# Altium PCB Calipso V2.0 REV4.2.PcbDoc (part 3 of 5)
Units mm, origin at the board's own origin, x right, y up, seen from the top; angles counter-clockwise.
Board outline 192.5 x 156.5 mm, 2 copper layers (Top Layer, Bottom Layer); 418 components, 329 nets, 1534 pads, 1623 vias.
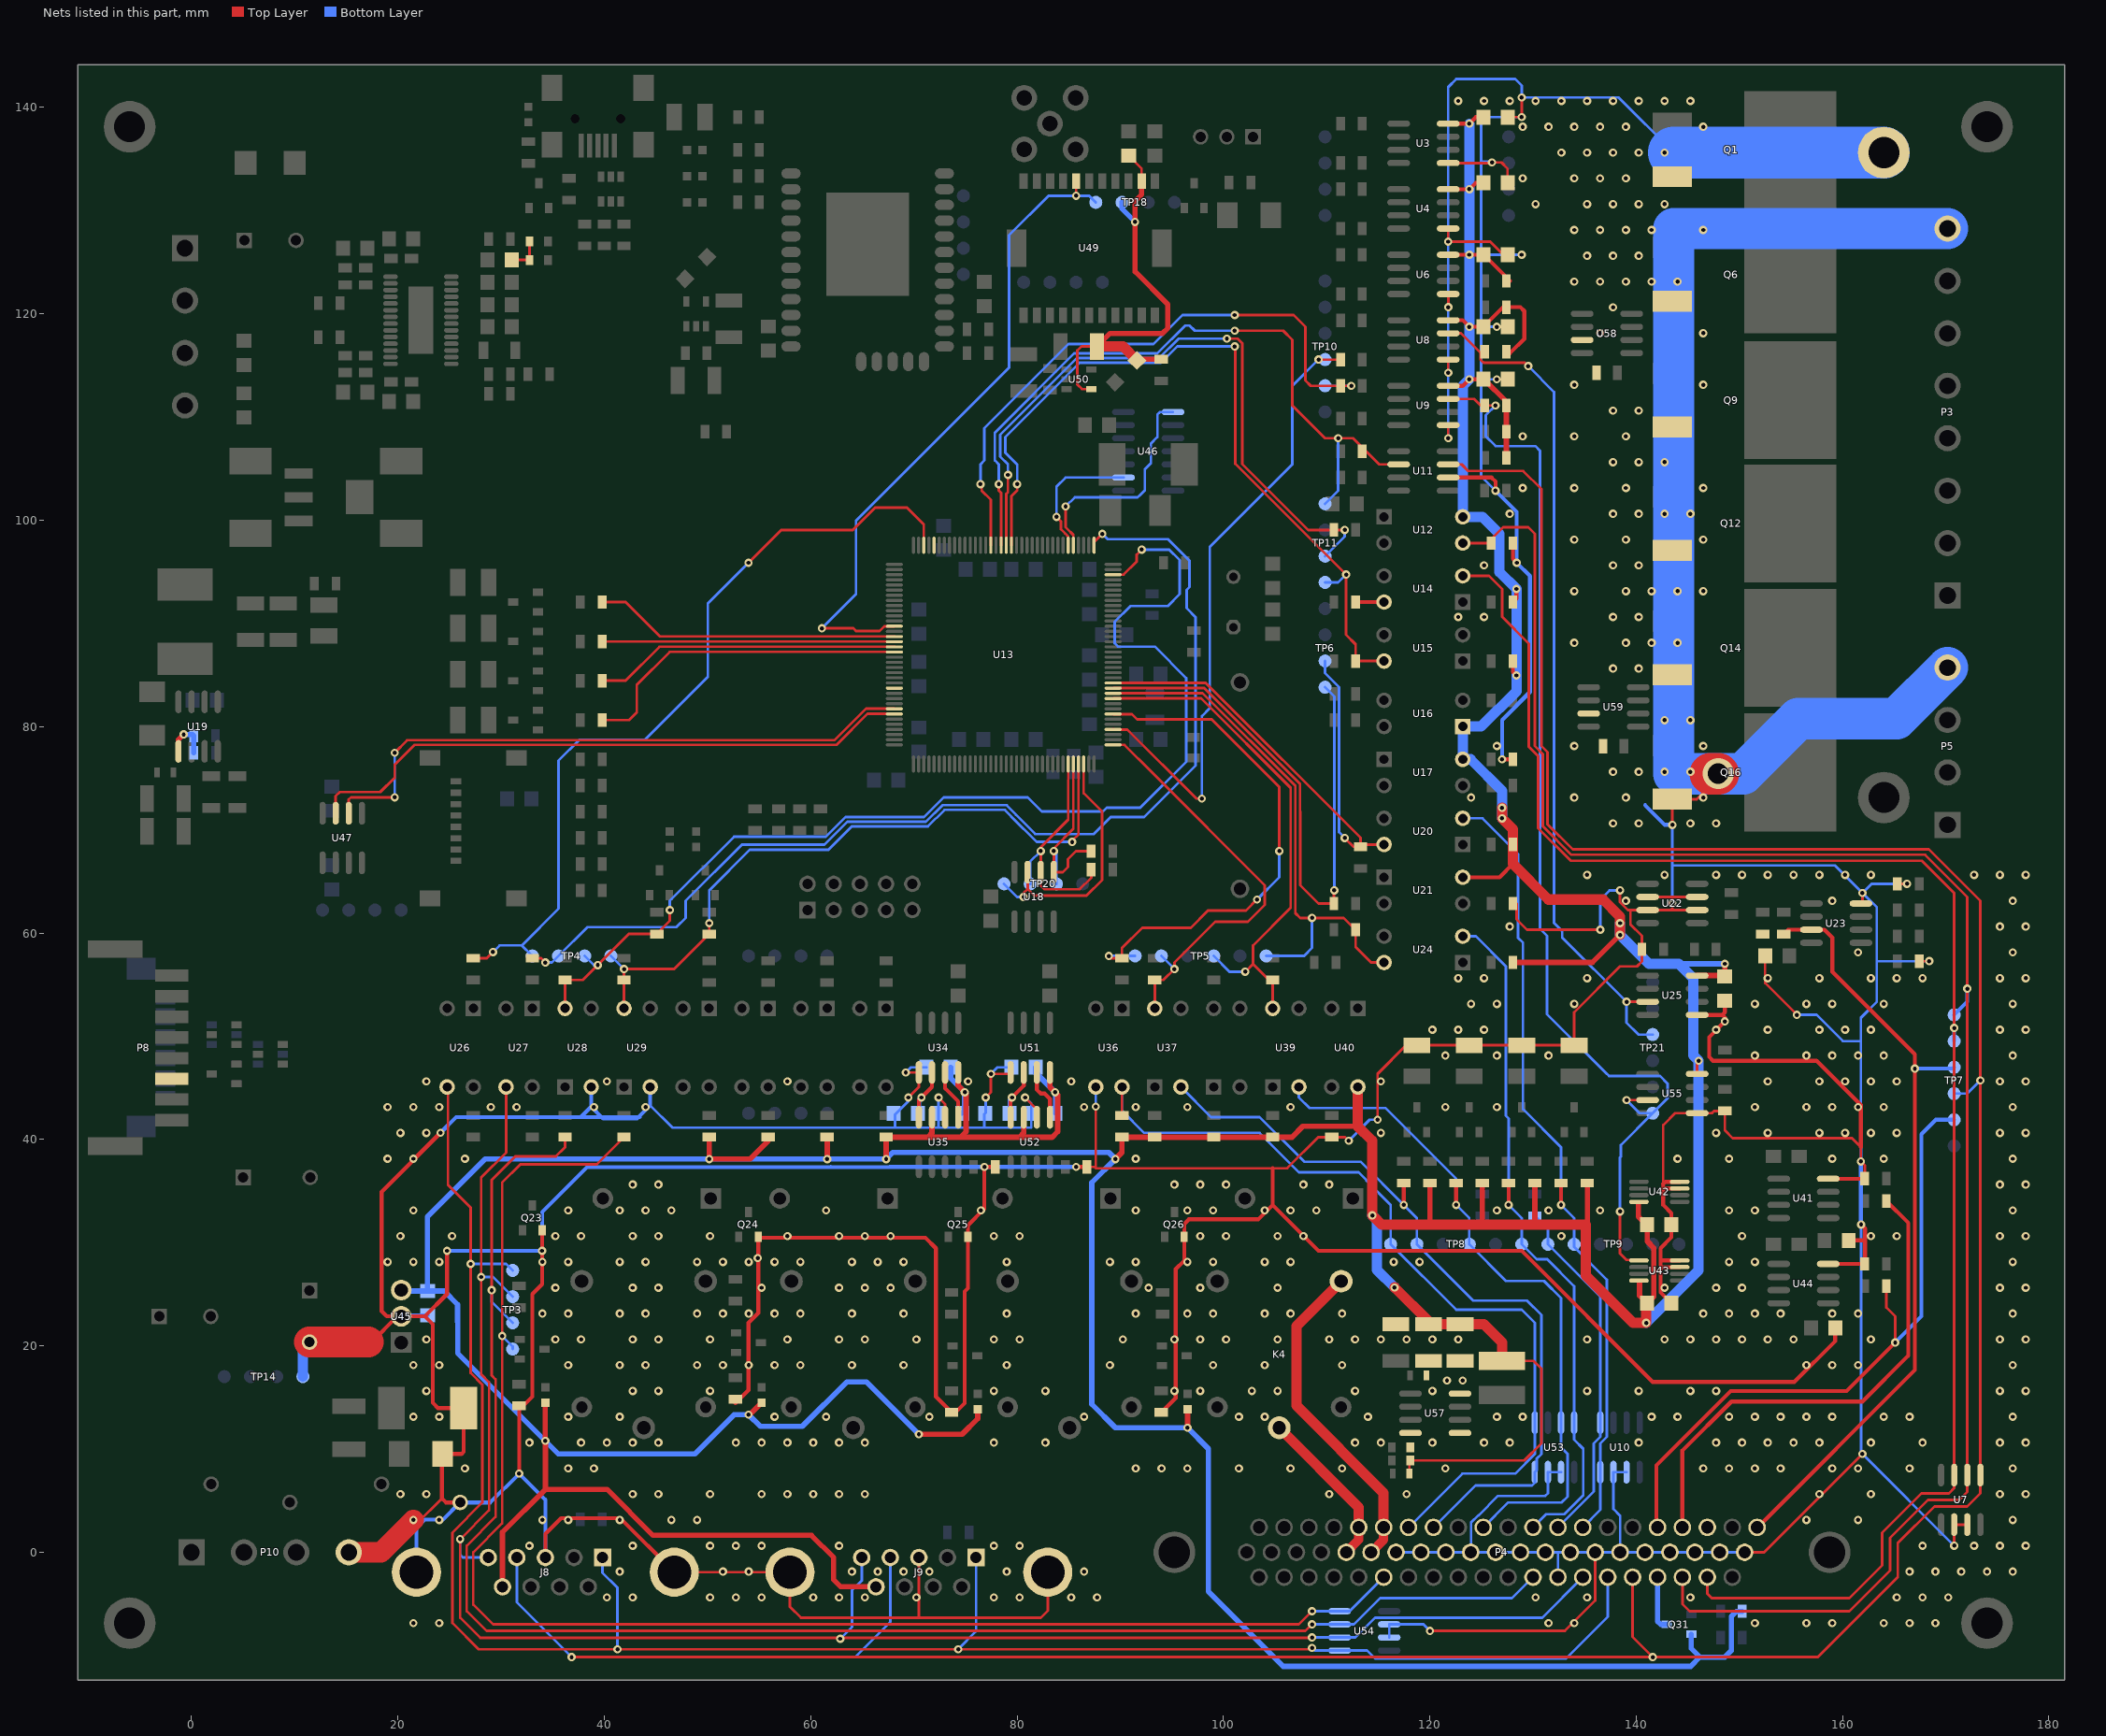
[diagram p3: the nets of this part, all layers, seen from the top]

## Via types
v1: diameter 0.8, hole 0.4, Top Layer to Bottom Layer, tented both sides, 1607 vias
v2: diameter 0.8, hole 0.4, Top Layer to Bottom Layer, 12 vias
v3: diameter 1.5, hole 1, Top Layer to Bottom Layer, 2 vias
v4: diameter 3, hole 2, Top Layer to Bottom Layer, 2 vias

## Nets (pads, with @x,y where several pads share a name; then routed paths per layer and width w, separated by ;. In a path a pad name is that pad's centre, name@x,y a point inside that pad or via, vN(x,y) a via of type N, cw(c..) or ccw(c..) an arc to the next point about the centre after c; other vN are vias at no path point) (continued)
DACI_CS: R24.1 TP21.3 U8.7 U25.3 | length 82.1
  Top Layer w0.254: U8.7@121.78,118.11 123.035,118.11 124.94,116.205 124.94,115.544 125.222,115.262 129.213,115.262 v1(129.54,114.935) ; v1(139.065,53.34) U25.3@141.11,53.34
  Bottom Layer w0.254: v1(129.54,114.935) 132.046,112.429 132.046,60.987 132.823,60.21 132.823,59.582 v1(139.065,53.34) 139.065,51.308 140.208,50.165 TP21.3@141.605,50.165
DACIN_P: C4.1 R159.2 R160.1 | length 3.5
  Top Layer w0.254: C4.1@31.02,125.222 R159.2@32.755,125.222 R160.1@32.755,127
DREL1: K4.1 P4.5 P4.26 | length 15.8
  Top Layer w0.9: P4.26@111.902,0 113.112,1.21 P4.5@113.112,2.41
  Top Layer w1: K4.1@105.41,12.065 113.112,4.363 P4.5@113.112,2.41
DREL2: K4.4 P4.6 P4.27 | length 32.1
  Top Layer w0.9: P4.27@114.315,0 115.525,1.21 P4.6@115.525,2.41
  Top Layer w1: K4.4@111.41,26.265 107.061,21.916 107.061,14.224 115.525,5.76 P4.6@115.525,2.41
DWIN_BUSY: P8.6
DWIN_RX: U13.102 U47.7 | length 59.9
  Top Layer w0.254: U47.7@13.97,71.615 13.97,73.279 14.351,73.66 18.288,73.66 19.685,75.057 19.685,76.327 21.59,78.232 62.491,78.232 65.504,81.245 U13.102@68.14,81.245
DWIN_TX: U13.101 U47.6 | length 60.4
  Top Layer w0.254: U47.6@15.24,71.615 15.24,72.952 15.44,73.152 19.177,73.152 v1(19.685,73.152) ; v1(19.685,77.47) 20.901,78.686 62.303,78.686 65.362,81.745 U13.101@68.14,81.745
  Bottom Layer w0.254: v1(19.685,73.152) v1(19.685,77.47)
EEPROM_NWC: TP20.1 U13.142 U18.7 | length 25.1
  Top Layer w0.254: v1(80.645,63.5) 80.645,63.881 81.026,64.262 ; U18.7@81.026,65.9 81.026,64.262 ; U13.142@86.459,76.383 86.459,73.552 88.234,71.777 88.234,65.139 86.722,63.627 81.661,63.627 81.026,64.262
  Bottom Layer w0.254: TP20.1@78.74,64.77 80.01,63.5 v1(80.645,63.5)
FAN_PWM1: U13.42 U46.9 | length 13
  Top Layer w0.254: v1(83.82,100.33) 84.255,99.895 84.255,99.126 84.646,98.735 84.657,98.735 84.959,98.433 U13.42@84.959,97.583
  Bottom Layer w0.254: v1(83.82,100.33) 83.82,103.251 84.709,104.14 U46.9@90.31,104.14
FAN_PWM2: U13.41 U46.1 | length 21.8
  Top Layer w0.254: v1(84.709,101.346) 84.709,99.314 84.834,99.189 84.845,99.189 85.459,98.575 U13.41@85.459,97.583
  Bottom Layer w0.254: v1(84.709,101.346) 85.598,102.235 91.694,102.235 91.875,102.416 91.882,102.416 92.383,102.917 92.383,104.942 92.975,105.533 92.975,107.431 93.599,108.056 93.599,110.236 93.853,110.49 U46.1@95.11,110.49
FEEDBACK: R55.1 R56.2 U19.5 | length 4.5
  Top Layer w0.5: U19.5@-1.27,77.61 -1.27,78.74 v1(-0.762,79.248)
  Bottom Layer w0.5: v1(-0.762,79.248) 0.093,79.248 R56.2@0.22,79.121 R55.1@0.22,77.47
FLOW1: R79.1 R89.1 TP4.3 U13.34 U28.4 | length 113.1
  Top Layer w0.254: U28.4@36.195,52.705 R89.1@36.195,55.465 37.94,55.465 42.385,59.91 R79.1@45.085,59.91 46.355,61.18 v1(46.355,62.23) ; U13.34@89.309,94.733 90.32,94.733 91.586,95.999 91.586,96.666 v1(92.075,97.155)
  Bottom Layer w0.254: TP4.3@38.101,57.785 38.99,56.896 v1(39.371,56.896) ; v1(46.355,62.23) 46.355,63.119 52.578,69.342 61.468,69.342 63.37,71.244 70.983,71.244 72.891,73.152 81.026,73.152 82.404,71.774 88.343,71.774 88.705,72.136 91.934,72.136 96.393,76.595 96.393,84.709 93.345,87.757 89.789,87.757 89.471,88.075 89.471,90.17 90.995,91.694 94.615,91.694 95.758,92.837 95.758,96.139 94.742,97.155 v1(92.075,97.155)
FLOW2: R80.1 R90.1 TP4.4 U13.141 U29.4 | length 67.3
  Top Layer w0.254: U29.4@41.911,52.705 R90.1@41.911,55.465 ; R90.1@42.165,55.465 R90.1@41.911,55.465 ; v1(50.165,60.96) R80.1@50.165,59.91 46.77,56.515 v1(41.911,56.515) R90.1@41.911,55.465 ; v1(85.344,68.834) 85.344,68.961 85.959,69.576 U13.141@85.959,76.383
  Bottom Layer w0.254: TP4.4@40.641,57.785 v1(41.911,56.515) ; v1(50.165,60.96) 50.165,64.135 54.102,68.072 61.722,68.072 63.986,70.336 71.359,70.336 72.959,71.936 78.813,71.936 79.464,71.285 79.464,71.266 81.896,68.834 v1(85.344,68.834)
FLOW_SEN1: P4.54 R108.1 TP3.3 U54.3 | length 162.8
  Top Layer w0.254: R108.1@36.195,40.225 36.195,39.243 35.306,38.354 31.369,38.354 29.083,36.068 v1(29.083,25.4) 29.083,17.136 29.464,16.755 29.464,3.429 26.67,0.635 26.67,-5.701 28.589,-7.62 107.95,-7.62 v1(108.585,-6.985)
  Bottom Layer w0.254: v1(29.083,25.4) 29.083,24.257 TP3.3@31.115,22.225 ; v1(108.585,-6.985) U54.3@111.265,-6.985 112.649,-6.985 115.189,-4.445 127.971,-4.445 P4.54@130.003,-2.413
FLOW_SEN2: P4.48 R109.1 TP3.4 U54.4 | length 148.3
  Top Layer w0.254: R109.1@41.911,40.225 39.278,37.592 31.877,37.592 30.099,35.814 v1(30.099,20.955) 30.099,2.794 27.305,0 27.305,-5.08 29.21,-6.985 107.315,-6.985 v1(108.585,-5.715)
  Bottom Layer w0.254: v1(30.099,20.955) 31.115,19.939 TP3.4@31.115,19.685 ; v1(108.585,-5.715) U54.4@111.265,-5.715 112.223,-5.715 P4.48@115.525,-2.413
FOOTSW: J8.4 J9.4 P4.58 TP7.4 U7.1 U11.3 | length 352.2
  Top Layer w0.254: v1(36.83,-10.16) v1(141.605,-10.16) ; U11.3@121.78,105.41 123.09,105.41 123.725,104.775 129.06,104.775 130.81,103.025 130.81,78.126 131.41,77.526 131.41,70.541 133.843,68.108 168.366,68.108 173.355,63.119 v1(173.355,45.72) U7.1@173.355,7.48 173.355,5.715 172.085,4.445 168.91,4.445 165.354,0.889 165.354,-2.413 157.607,-10.16 v1(141.605,-10.16) ; P4.58@139.655,-2.413 139.655,-8.21 v1(141.605,-10.16)
  Bottom Layer w0.254: J8.4@31.52,-0.51 31.52,-4.85 v1(36.83,-10.16) 64.31,-10.16 67.715,-6.755 J9.4@67.715,-0.51 ; TP7.4@170.815,44.45 172.085,44.45 v1(173.355,45.72)
FOOTSW1: R32.2 TP11.1 U11.6 U13.55 | length 70.8
  Top Layer w0.254: v1(78.232,103.505) 78.232,102.874 78.459,102.647 U13.55@78.459,97.583 ; v1(101.092,118.364) 105.791,118.364 106.68,117.475 106.68,111.125 109.855,107.95 v1(111.125,107.95) 112.55,107.95 115.09,105.41 U11.6@116.98,105.41
  Bottom Layer w0.254: v1(78.232,103.505) 78.232,105.41 77.851,105.791 77.851,108.498 85.52,116.167 93.582,116.167 96.287,118.872 96.72,118.872 97.228,118.364 v1(101.092,118.364) ; TP11.1@109.855,101.6 111.125,102.87 v1(111.125,107.95)
FOOTSW2: U13.68
GOUT1: R95.1 U13.87 | length 29.4
  Top Layer w0.254: R95.1@40.16,92.075 42.065,92.075 45.395,88.745 U13.87@68.14,88.745
GOUT2: R96.1 U13.88 | length 28
  Top Layer w0.254: R96.1@40.16,88.265 40.18,88.245 U13.88@68.14,88.245
GOUT3: R114.1 U13.89 | length 29.3
  Top Layer w0.254: R114.1@40.16,84.455 42.065,84.455 45.355,87.745 U13.89@68.14,87.745
GOUT4: R115.1 U13.90 | length 32.3
  Top Layer w0.254: R115.1@40.16,80.645 42.418,80.645 43.142,81.369 43.142,84.032 46.355,87.245 U13.90@68.14,87.245
GPS3V3: C67.2 C68.2 GPS1.1 L10.1 TP18.2 U49.13 U50.4 | length 42.6
  Top Layer w0.254: U50.4@87.179,112.715 86.294,112.715 85.852,113.157 85.852,116.459 86.233,116.84 C67.2@87.754,116.84 ; C68.2@90.805,135.35 92.075,134.08 U49.13@92.075,132.865
  Top Layer w0.5: C67.2@87.754,116.84 89.024,118.11 94.107,118.11 94.615,118.618 94.615,120.904 91.44,124.079 v1(91.44,128.905) 91.44,130.937 92.075,131.572 U49.13@92.075,132.865 ; L10.1@91.612,115.488 91.728,115.604 GPS1.1@93.98,115.604
  Top Layer w1: C67.2@87.754,116.84 90.259,116.84 L10.1@91.612,115.488
  Bottom Layer w0.5: TP18.2@90.17,130.81 90.17,130.175 v1(91.44,128.905)
GPS_RST: TP18.1 U13.85 U49.18 | length 64.6
  Top Layer w0.254: v1(61.087,89.535) 64.135,89.535 64.389,89.281 66.687,89.281 67.139,89.733 U13.85@68.109,89.733 ; v1(85.725,131.445) U49.18@85.725,132.865
  Bottom Layer w0.254: v1(61.087,89.535) 61.087,89.549 64.389,92.851 64.389,99.949 79.232,114.792 79.232,127.619 83.058,131.445 v1(85.725,131.445) 86.995,131.445 TP18.1@87.63,130.81
I2C1_SCL: R139.2 TP20.2 U13.139 U18.6 | length 22.8
  Top Layer w0.254: U13.139@84.959,76.383 84.959,70.989 82.296,68.326 v1(82.296,67.945) U18.6@82.296,65.9 82.296,64.6 82.646,64.25 86.075,64.25 87.184,65.359 R139.2@87.184,66.155
  Bottom Layer w0.254: TP20.2@81.28,64.77 81.28,66.929 v1(82.296,67.945)
I2C1_SDA: R140.2 TP20.3 U13.140 U18.5 | length 19.5
  Top Layer w0.254: U13.140@85.459,76.383 85.459,70.104 83.566,68.211 v1(83.566,67.945) U18.5@83.566,65.9 84.423,65.9 84.932,66.409 84.932,67.171 85.694,67.933 R140.2@87.184,67.933
  Bottom Layer w0.254: v1(83.566,67.945) 83.82,67.691 TP20.3@83.82,64.77
I5V: C1.1 C7.1 C8.1 C11.1 C14.1 C29.2 C31.2 C33.1 C35.1 C37.1 C62.2 C73.2 C75.2 C85.2 C86.2 C87.2 J8.9 J9.9 L2.1 LED7.2 LED8.2 LED9.2 LED10.2 Q31.2 R20.2 R22.2 R24.2 R29.2 R31.2 R33.1 R44.2 R48.2 R73.2 R103.2 R110.2 R111.2 R112.2 R113.2 R116.2 R117.2 R118.2 R119.2 R123.2 R125.2 R127.2 R129.2 R156.2 R166.1 U3.8 U4.8 U6.8 U8.8 U9.8 U12.4 U16.1 U17.4 U21.4 U25.8 U34.8 U35.3 U40.4 U42.8 U43.8 U45.3 U51.8 U52.3 U55.8 | length 740.5
  Top Layer w0.254: C87.2@118.021,7.62 118.021,8.79 R166.1@118.121,8.89 129.159,8.89 130.81,10.541 130.81,17.78 130.049,18.541 L2.1@127,18.541 ; U55.8@145.91,46.355 145.91,47.485 v1(146.05,47.625)
  Top Layer w0.384: U9.8@121.78,113.03 123.19,113.03 v1(123.825,113.665) C14.1@125.19,113.665 C14.1@125.25,113.665 ; U8.8@121.78,119.38 123.19,119.38 v1(123.825,118.745) C11.1@125.19,118.745 127.095,120.65 128.778,120.65 129.159,120.269 129.159,117.574 R24.2@127.79,116.205 ; U6.8@121.78,125.73 v1(123.825,125.73) 125.25,125.73 R20.2@127.79,123.19 ; U4.8@121.78,132.08 v1(123.825,132.08) 124.46,132.715 C7.1@125.19,132.715 ; U3.8@121.78,138.43 v1(123.825,138.43) 124.46,139.065 C1.1@125.19,139.065 ; U21.4@123.19,65.405 126.758,65.405 128.05,66.697 ; R48.2@128.05,86.36 128.05,85.31 v1(128.397,84.963) ; R44.2@128.05,92.075 128.397,92.422 v1(128.397,93.345)
  Top Layer w0.5: 34.29,6.096 40.259,6.096 44.715,1.64 60.082,1.64 62.23,-0.508 62.23,-2.667 62.913,-3.35 J9.9@66.33,-3.35 ; v1(34.29,10.795) LED7.2@34.29,14.49 ; U51.8@83.185,46.495 83.185,45.085 v1(83.693,44.577) ; 135.128,31.75 135.255,31.877 R129.2@135.255,35.78
  Top Layer w0.524: J8.9@30.135,-3.35 30.135,1.941 34.29,6.096 v1(34.29,10.795) ; R110.2@50.166,39.849 v1(50.166,38.1) 54.13,38.1 55.88,39.85 R111.2@55.88,40.225 ; v1(53.975,13.335) 54.09,13.335 LED8.2@55.245,14.49 ; v1(61.596,38.1) R112.2@61.595,39.85 ; R113.2@67.31,40.225 71.341,40.225 ; v1(67.311,38.1) R113.2@67.311,39.849 ; v1(70.485,11.43) 74.676,11.43 76.2,12.954 LED9.2@76.2,13.855 ; U35.3@71.756,42.151 71.756,40.64 71.341,40.225 ; U34.8@74.296,46.495 74.296,45.211 v1(74.93,44.577) 75.058,44.449 75.058,40.768 74.515,40.225 ; U52.3@80.645,42.151 80.645,40.64 80.23,40.225 ; v1(83.693,44.577) 83.947,44.323 83.947,40.767 83.405,40.225 80.23,40.225 ; v1(89.535,38.1) 90.17,38.735 R116.2@90.17,39.85 ; R116.2@90.17,40.225 R117.2@93.345,40.225 R118.2@99.06,40.225 R119.2@104.775,40.225 106.646,40.225 107.696,41.275 113.03,41.275 ; v1(96.52,12.065) LED10.2@96.52,13.855 ; 120.015,31.75 R123.2@120.015,35.405 ; 125.095,31.75 R125.2@125.095,35.405 ; C14.1@125.25,113.665 127.415,111.5 R29.2@127.415,111.125 R31.2@127.415,108.585 R33.1@127.415,106.045 ; R103.2@128.425,57.15 135.763,57.15 v1(138.43,59.817) ; 130.175,31.75 R127.2@130.175,35.405 ; U42.8@140.208,33.782 140.208,32.512 140.97,31.75 C35.1@141.065,31.75 141.065,30.131 141.713,29.483 141.713,24.778 C37.1@141.065,24.13 140.335,24.86 U43.8@140.335,26.162 ; U25.8@145.91,55.88 C33.1@148.495,55.88 ; C33.1@148.59,55.785 v1(148.59,57.023) ; 71.341,40.225 74.515,40.225 ; 74.515,40.225 80.23,40.225
  Top Layer w1: U40.4@113.03,45.085 113.03,41.275 114.427,39.878 v1(114.427,32.639) 115.316,31.75 120.015,31.75 125.095,31.75 130.175,31.75 135.128,31.75 135.128,26.797 139.7,22.225 v1(140.97,22.225) 140.97,24.035 C37.1@141.065,24.13 ; v1(116.586,25.654) 119.888,22.352 C86.2@119.888,22.095 C85.2@122.936,22.095 125.225,22.095 127,20.32 L2.1@127,18.541 ; v1(127,72.136) v1(127,71.12) 128.05,70.07 R73.2@128.05,68.58 128.05,66.697 131.501,63.246 136.779,63.246 138.43,61.595 v1(138.43,60.96) v1(138.43,59.817)
  Bottom Layer w0.5: 25.781,22.352 25.781,19.304 v1(34.29,10.795) 35.56,9.525 48.768,9.525 52.578,13.335 v1(53.975,13.335) ; Q31.2@145.345,-7.935 145.345,-9.328 146.177,-10.16 148.59,-10.16 149.225,-9.525 149.225,-6.223 149.733,-5.715 R156.2@150.275,-5.715
  Bottom Layer w0.524: U45.3@20.32,25.4 20.415,25.305 C62.2@22.86,25.305 ; 25.781,22.352 25.781,24.003 24.479,25.305 C62.2@22.86,25.305 ; v1(53.975,13.335) 55.118,12.192 59.182,12.192 63.5,16.51 65.405,16.51 v1(70.485,11.43) ; C29.2@73.565,46.99 73.565,45.942 v1(74.93,44.577) 74.93,42.767 C31.2@74.708,42.545 ; C73.2@81.82,46.99 81.82,46.45 v1(83.693,44.577) 83.725,44.545 C75.2@83.725,42.545 ; 144.145,57.023 v1(148.59,57.023) ; 146.177,-10.16 145.288,-11.049 105.791,-11.049 98.552,-3.81 98.552,10.033 v1(96.52,12.065) 89.535,12.065 87.249,14.351 87.249,35.814 v1(89.535,38.1) 88.9,38.735 67.946,38.735 v1(67.311,38.1) v1(61.596,38.1) 28.448,38.1 22.86,32.512 C62.2@22.86,25.305
  Bottom Layer w1: v1(114.427,32.639) 114.87,32.196 114.87,27.37 v1(116.586,25.654) ; v1(123.825,138.43) v1(123.825,132.08) v1(123.825,125.73) v1(123.825,118.745) v1(123.825,113.665) 123.19,113.03 U12.4@123.19,100.33 125.095,100.33 126.746,98.679 126.746,94.996 v1(128.397,93.345) v1(128.397,84.963) 128.397,83.439 124.968,80.01 U16.1@123.19,80.01 U17.4@123.19,76.835 123.952,76.835 127,73.787 v1(127,72.136) v1(127,71.12) ; v1(138.43,60.96) v1(138.43,59.817) 141.224,57.023 144.145,57.023 145.542,55.626 145.542,48.133 v1(146.05,47.625) 146.05,27.305 v1(140.97,22.225)
ICAN1_RX: C30.2 U34.6 U35.4 | length 6.6
  Top Layer w0.384: U35.4@70.486,42.151 70.486,43.815 v1(70.74,44.069) 71.756,45.085 U34.6@71.756,46.495
  Bottom Layer w0.384: C30.2@70.518,42.418 70.518,43.847 v1(70.74,44.069)
ICAN1_TX: U34.7 U35.1 | length 4.9
  Top Layer w0.384: U34.7@73.026,46.495 73.026,44.958 74.296,43.688 U35.1@74.296,42.151
ICAN2_RX: C74.2 U51.6 U52.4 | length 6.5
  Top Layer w0.381: U52.4@79.375,42.151 79.375,43.942 v1(79.502,44.069) 80.645,45.212 U51.6@80.645,46.495
  Bottom Layer w0.381: C74.2@79.28,42.545 79.28,43.847 v1(79.502,44.069)
ICAN2_TX: U51.7 U52.1 | length 5.1
  Top Layer w0.381: U51.7@81.915,46.495 81.915,44.831 82.296,44.45 82.677,44.45 83.185,43.942 U52.1@83.185,42.151
IGND: C1.2 C7.2 C8.2 C11.2 C14.2 C29.1 C30.1 C31.1 C32.1 C33.2 C35.2 C36.2 C37.2 C38.2 C40.2 C41.2 C42.1 C43.1 C62.1 C73.1 C74.1 C75.1 C85.1 C86.1 C88.1 C89.1 D20.2 J8.3 J8.10 J8.11 J9.3 J9.10 J9.11 LED3.1 LED4.1 LED5.1 LED6.1 P3.8 P4.28 P4.29 P4.30 P4.31 P4.32 P4.33 P4.34 P4.35 P4.36 P4.37 P4.38 P4.39 P4.40 P4.41 P4.42 P4.55 P5.4 P10.4 pad.H@164,135.63 Q1.3 Q6.3 Q9.3 Q12.3 Q14.3 Q16.3 Q23.2 Q24.2 Q25.2 Q26.2 R12.2 R39.1 R50.2 R59.2 R76.1 R81.1 R85.1 R101.2 R104.2 R120.1 R121.2 R135.1 R136.1 R137.1 R138.1 R148.2 R158.1 R167.2 RU2.1 TP14.1 U3.5 U4.5 U6.5 U7.6 U7.7 U8.5 U9.5 U10.6 U10.7 U11.2 U22.2 U22.3 U22.6 U22.7 U23.4 U25.5 U28.2 U29.2 U34.5 U35.2 U36.3 U41.4 U42.3 U42.4 U43.3 U43.4 U44.4 U45.2 U51.5 U52.2 U53.6 U53.7 U54.6 U54.7 U55.5 U57.4 U57.5 U57.8 U58.3 U59.3 | length 1288.9
  Top Layer w0.254: 21.84,2.79 24.257,5.207 ; J8.10@46.785,-1.93 J9.11@57.99,-1.93 57.99,-5.285 59.055,-6.35 70.485,-6.35 ; v1(69.215,46.482) 69.228,46.495 U34.5@70.486,46.495 70.486,45.085 v1(69.47,44.069) ; J9.3@70.485,-0.51 70.485,-6.35 ; v1(72.391,44.069) 73.026,43.434 U35.2@73.026,42.151 ; v1(76.962,44.069) 77.47,44.577 v1(77.47,46.355) 79.235,46.355 U51.5@79.375,46.495 ; v1(80.772,44.069) 81.915,42.926 U52.2@81.915,42.151 ; J9.10@82.98,-1.93 82.98,-5.666 82.296,-6.35 70.485,-6.35 ; R12.2@86.775,37.338 87.503,37.338 87.63,37.211 ; v1(87.63,43.18) 87.63,37.211 ; v1(112.141,39.878) 111.794,40.225 R120.1@110.49,40.225 109.186,40.225 106.172,37.211 104.775,37.211 87.63,37.211 ; v1(114.935,41.91) 114.935,46.355 117.705,49.125 LED3.1@118.745,49.125 LED4.1@123.825,49.125 LED5.1@128.905,49.125 LED6.1@133.985,49.125 133.985,52.324 138.43,56.769 140.081,56.769 140.555,57.243 R85.1@140.555,58.42 140.555,59.724 139.446,60.833 139.446,62.23 ; v1(120.015,-7.62) 133.096,-7.62 136.032,-4.684 P4.36@136.032,0 ; U9.5@121.78,109.22 121.78,107.963 v1(121.793,107.95) ; U8.5@121.78,115.57 121.78,114.313 v1(121.793,114.3) ; U6.5@121.78,121.92 121.793,121.907 v1(121.793,120.65) ; U4.5@121.78,128.27 v1(121.78,127) 125.857,127 C8.2@127.127,125.73 ; U3.5@121.78,134.62 126.034,134.62 126.024,134.631 v1(126.024,134.675) 126.945,134.675 127.54,134.08 C7.2@127.54,132.715 ; 123.695,29.207 123.698,29.21 ; C1.2@127.54,139.065 v1@128.524,139.065 ; R81.1@128.425,62.865 128.425,61.313 129.413,60.325 v1(136.525,60.325) ; v1(128.905,139.065) v1(128.905,140.97) ; v1(138.43,64.135) 138.43,62.992 139.192,62.23 139.446,62.23 ; U22.6@141.11,63.5 143.51,63.5 ; 142.621,35.433 142.621,35.687 142.621,41.402 143.764,42.545 U55.5@145.91,42.545 147.32,42.545 147.54,42.765 R158.1@148.59,42.765 148.59,40.894 149.352,40.132 160.909,40.132 161.77,39.271 v1(161.77,37.874) 162.145,37.499 R104.2@162.145,36.195 ; v1(143.51,70.485) Q16.3@143.51,72.97 145.868,72.97 v4@147.193,74.295 ; U22.2@145.91,62.23 143.51,62.23 ; U22.3@145.91,63.5 143.51,63.5 ; P4.42@150.51,0 152.4,0 v1(161.925,9.525) ; C32.1@152.495,57.785 152.495,55.15 v1(155.575,52.07) ; U23.4@161.785,62.865 161.925,63.005 v1(161.925,63.881) ; R76.1@165.32,64.77 v1(166.243,64.77) ; R101.2@167.42,57.277 v1(168.402,57.277) ; v1(170.815,0.635) U7.6@170.815,2.68 U7.7@172.085,2.68 ; 139.446,62.23 U22.7@141.11,62.23 143.51,62.23 ; 143.51,62.23 v1(143.51,62.865) 143.51,63.5
  Top Layer w0.384: 17.145,20.36 17.439,20.36 U45.2@19.939,22.86 ; v1(24.13,40.64) 18.415,34.925 18.415,23.368 18.923,22.86 U45.2@19.939,22.86 ; v1(24.765,29.21) 24.765,25.019 22.606,22.86 ; RU2.1@26.035,4.826 24.638,4.826 24.257,5.207 24.257,9.457 D20.2@24.325,9.525 26.162,9.525 26.36,9.723 C41.2@26.36,13.97 23.876,13.97 23.368,14.478 23.368,22.098 22.606,22.86 ; v1(31.75,7.62) 31.75,13.815 33.02,15.085 33.02,25.019 33.97,25.969 v1(33.97,29.21) Q23.2@33.97,31.185 ; J8.3@34.29,-0.51 34.29,1.778 35.814,3.302 41.553,3.302 J8.10@46.785,-1.93 ; R135.1@52.705,14.45 53.975,15.72 53.975,22.225 54.925,23.175 v1@54.925,28.575 ; v1(54.864,28.514) v1@54.925,28.575 ; R137.1@73.66,13.555 72.136,15.079 72.136,29.464 71.12,30.48 54.995,30.48 Q24.2@54.925,30.55 v1@54.925,28.575 ; R137.1@73.848,13.367 74.93,14.45 74.93,25.273 75.245,25.588 Q25.2@75.245,30.55 75.245,31.684 76.835,33.274 v1(76.835,37.338) R50.2@77.885,37.338 ; v1(85.725,37.338) R12.2@86.775,37.338 ; R138.1@93.98,13.555 95.377,14.952 95.377,27.432 96.2,28.255 Q26.2@96.2,30.55 96.2,31.811 96.647,32.258 103.378,32.258 104.775,33.655 ; 104.775,37.211 104.775,33.655 ; U11.2@121.78,104.14 125.984,104.14 126.365,103.759 v1(126.365,102.87) ; v1(127,76.835) R59.2@128.05,76.835 ; R39.1@128.05,97.79 128.05,96.26 v1(128.425,95.885) ; 142.621,35.433 142.621,35.179 ; 142.621,35.687 142.834,35.9 U42.4@144.215,35.9 ; C37.2@143.415,24.13 142.367,25.178 142.367,27.686 ; U43.3@144.215,27.63 142.423,27.63 142.367,27.686 ; U43.4@144.215,28.28 142.453,28.28 142.367,28.194 ; U42.3@144.215,35.25 142.692,35.25 142.621,35.179 ; U25.5@145.91,52.07 148.336,52.07 ; C33.2@148.59,53.435 148.59,52.324 148.336,52.07 ; U44.4@158.61,27.94 R121.2@162.145,27.94 ; U41.4@158.61,36.195 R104.2@162.145,36.195 ; C38.2@159.29,22.225 159.29,20.479 155.321,16.51 141.605,16.51 128.905,29.21 123.698,29.21 109.22,29.21 104.775,33.655 ; C36.2@160.592,30.226 162.179,30.226 ; 161.77,39.271 161.77,43.335 157.48,47.625 147.447,47.625 147.066,48.006 147.066,49.911 v1(148.59,51.435) 148.59,51.816 148.336,52.07 ; v1(161.798,31.75) 162.179,31.369 162.179,30.226 ; R121.2@162.179,27.94 162.179,30.226 ; U45.2@19.939,22.86 U45.2@20.32,22.86 22.606,22.86 ; 142.367,27.686 142.367,28.194 ; 142.367,28.194 142.367,29.464 143.415,30.512 143.415,32.861 142.621,33.655 142.621,35.179
  Top Layer w2: P10.4@15.24,0 18.37,0 v1(21.5,3.13)
  Top Layer w3: C40.2@11.43,20.36 17.145,20.36
  Top Layer w4: v4@147.193,75.438 v4(147.955,75.438)
  Bottom Layer w0.254: 44.451,43.307 46.61,41.148 68.2,41.148 ; v1(69.215,46.482) 69.723,46.99 C29.1@71.215,46.99 ; v1(69.47,44.069) 69.47,43.72 68.168,42.418 68.168,41.18 68.2,41.148 ; v1(72.391,44.069) 72.391,41.148 ; v1(76.962,44.069) 76.962,42.577 76.835,42.45 76.835,41.148 ; v1(77.47,46.355) 78.105,46.99 C73.1@79.47,46.99 ; v1(80.772,44.069) 81.375,43.466 C75.1@81.375,42.545 81.375,41.148 76.835,41.148 ; v1(87.63,43.18) U36.3@87.63,45.085 ; v1(112.141,39.878) 114.173,41.91 v1(114.935,41.91) ; U54.7@116.065,-8.255 U54.6@116.065,-6.985 119.38,-6.985 v1(120.015,-7.62) ; P4.28@116.728,0 P4.29@119.141,0 P4.30@121.554,0 P4.31@123.967,0 ; v1(121.793,107.95) 121.78,107.963 v1(121.78,127) 121.78,141.973 122.555,142.748 128.27,142.748 128.905,142.113 v1(128.905,140.97) 138.303,140.97 143.637,135.636 ; v1(126.024,134.675) 126.024,134.741 126.017,134.747 124.968,134.747 ; v1(126.365,102.87) 124.968,104.267 124.968,113.665 ; v1(126.492,113.665) 124.968,113.665 ; v1(126.492,118.745) 124.968,118.745 ; v1(128.905,125.73) 124.968,125.73 ; v1(128.905,139.065) 125.603,139.065 124.968,138.43 124.968,134.747 ; P4.55@132.416,-2.413 132.416,-0.045 132.461,0 ; U53.6@132.715,7.76 U53.7@131.445,7.76 131.445,5.715 131.191,5.461 126.619,5.461 124.745,3.587 124.689,3.587 124,2.898 124,0.033 P4.31@123.967,0 ; v1(136.525,60.325) 136.525,63.246 137.414,64.135 v1(138.43,64.135) ; U10.6@139.065,7.76 U10.7@137.795,7.76 137.795,4.191 138.445,3.541 P4.37@138.445,0 ; v1(143.51,62.865) 143.51,66.548 ; v1(143.51,70.485) 143.51,66.548 ; P4.42@150.51,0 P4.41@148.097,0 P4.40@145.684,0 P4.39@143.271,0 P4.38@140.858,0 P4.37@138.445,0 ; v1(155.575,52.07) 157.48,52.07 160.02,49.53 161.77,49.53 ; v1(166.243,64.77) 162.814,64.77 v1(161.925,63.881) ; v1(168.402,57.277) 163.322,57.277 ; v1(170.815,0.635) v1(161.925,9.525) 161.798,9.652 v1(161.798,31.75) 161.798,40.005 161.77,40.033 161.77,49.53 ; 68.2,41.148 72.391,41.148 ; 72.391,41.148 76.835,41.148 ; P4.31@123.967,0 P4.32@126.38,0 P4.33@128.793,0 P4.34@131.206,0 132.461,0 ; 124.968,113.665 124.968,118.745 ; 124.968,118.745 124.968,125.73 ; 124.968,125.73 124.968,134.747 ; 132.461,0 P4.35@133.619,0 P4.36@136.032,0 P4.37@138.445,0 ; 143.51,66.548 159.258,66.548 v1(161.925,63.881) ; 161.77,49.53 161.77,51.788 163.322,53.34 163.322,57.277 ; v1(161.925,63.881) 163.322,62.484 163.322,57.277
  Bottom Layer w0.384: U45.2@20.32,22.86 20.415,22.955 C62.1@22.86,22.955 ; J8.11@21.795,-1.93 21.795,2.364 22.606,3.175 24.384,3.175 RU2.1@26.035,4.826 28.956,4.826 v1(31.75,7.62) 34.29,5.08 J8.3@34.29,-0.51 ; v1(24.13,40.64) 25.654,42.164 43.432,42.164 ; v1(24.765,29.21) v1(33.97,29.21) 33.97,32.954 38.324,37.308 67.638,37.308 ; 37.718,42.164 v1@38.735,43.181 ; U28.2@38.735,45.085 v1@38.735,43.181 ; U29.2@44.451,45.085 44.451,43.307 43.181,42.037 39.879,42.037 v1@38.735,43.181 ; 61.924,37.308 61.954,37.338 ; 67.668,37.338 v1(76.835,37.338) v1(85.725,37.338) ; v1(126.365,102.87) 128.425,100.81 v1(128.425,95.885) 129.711,94.599 129.711,83.356 127,80.645 v1(127,76.835) ; 140.875,72.39 142.78,70.485 v1(143.51,70.485) ; 143.51,109.22 143.637,109.093 ; v1(161.77,37.874) 161.77,31.778 v1(161.798,31.75)
  Bottom Layer w1: TP14.1@10.795,17.018 10.795,19.725 C40.2@11.43,20.36
  Bottom Layer w4: P5.4@170.18,85.725 165.227,80.772 155.702,80.772 150.368,75.438 v4(147.955,75.438) 143.637,75.438 143.637,109.093 143.637,128.27 P3.8@170.18,128.27
  Bottom Layer w5: 143.637,135.636 143.643,135.63 pad.H@164,135.63
  other v1: 21.5,-6.87 24,-6.87 131.5,-6.87 134,-6.87 151.5,-6.87 156.5,-6.87 159,-6.87 164,-6.87 166.5,-6.87 169,-6.87 40.25,-4.37 42.75,-4.37 50.25,-4.37 52.75,-4.37 55.25,-4.37 60.25,-4.37 62.75,-4.37 65.25,-4.37 70.25,-4.37 77.75,-4.37 80.25,-4.37 85.25,-4.37 87.75,-4.37 130.25,-4.37 135.25,-4.37 145.25,-4.37 165.25,-4.37 167.75,-4.37 170.25,-4.37 41.5,-1.87 51.5,-1.87 54,-1.87 64,-1.87 66.5,-1.87 69,-1.87 71.5,-1.87 79,-1.87 86.5,-1.87 166.5,-1.87 169,-1.87 171.5,-1.87 174,-1.87 176.5,-1.87 32.75,0.63 42.75,0.63 50.25,0.63 52.75,0.63 55.25,0.63 62.75,0.63 77.75,0.63 80.25,0.63 167.75,0.63 172.75,0.63 175.25,0.63 177.75,0.63 24,3.13 34,3.13 36.5,3.13 41.5,3.13 46.5,3.13 49,3.13 156.5,3.13 161.5,3.13 176.5,3.13 20.25,5.63 22.75,5.63 42.75,5.63 45.25,5.63 50.25,5.63 55.25,5.63 57.75,5.63 60.25,5.63 62.75,5.63 65.25,5.63 110.25,5.63 117.75,5.63 157.75,5.63 162.75,5.63 175.25,5.63 177.75,5.63 26.5,8.13 36.5,8.13 39,8.13 91.5,8.13 94,8.13 96.5,8.13 101.5,8.13 106.5,8.13 111.5,8.13 121.5,8.13 146.5,8.13 149,8.13 151.5,8.13 154,8.13 159,8.13 161.5,8.13 166.5,8.13 176.5,8.13 32.75,10.63 37.75,10.63 40.25,10.63 42.75,10.63 45.25,10.63 52.75,10.63 55.25,10.63 57.75,10.63 60.25,10.63 62.75,10.63 65.25,10.63 77.75,10.63 82.75,10.63 112.75,10.63 115.25,10.63 120.25,10.63 125.25,10.63 127.75,10.63 140.25,10.63 147.75,10.63 150.25,10.63 152.75,10.63 155.25,10.63 157.75,10.63 162.75,10.63 167.75,10.63 175.25,10.63 177.75,10.63 21.5,13.13 24,13.13 36.5,13.13 41.5,13.13 56.5,13.13 61.5,13.13 71.5,13.13 86.5,13.13 101.5,13.13 104,13.13 114,13.13 126.5,13.13 129,13.13 141.5,13.13 144,13.13 149,13.13 151.5,13.13 154,13.13 156.5,13.13 159,13.13 164,13.13 166.5,13.13 176.5,13.13 22.75,15.63 42.75,15.63 45.25,15.63 50.25,15.63 77.75,15.63 82.75,15.63 95.25,15.63 97.75,15.63 102.75,15.63 105.25,15.63 112.75,15.63 120.25,15.63 135.25,15.63 140.25,15.63 145.25,15.63 147.75,15.63 175.25,15.63 177.75,15.63 121.666,16.637 123.19,16.637 21.5,18.13 24,18.13 36.5,18.13 41.5,18.13 44,18.13 49,18.13 51.5,18.13 54,18.13 56.5,18.13 59,18.13 64,18.13 69,18.13 79,18.13 89,18.13 99,18.13 104,18.13 111.5,18.13 156.5,18.13 159,18.13 161.5,18.13 176.5,18.13 22.75,20.63 35.25,20.63 37.75,20.63 42.75,20.63 45.25,20.63 50.25,20.63 57.75,20.63 62.75,20.63 65.25,20.63 70.25,20.63 77.75,20.63 80.25,20.63 90.25,20.63 95.25,20.63 97.75,20.63 100.25,20.63 105.25,20.63 110.25,20.63 112.75,20.63 115.25,20.63 117.75,20.63 120.25,20.63 122.75,20.63 135.25,20.63 142.75,20.63 145.25,20.63 147.75,20.63 150.25,20.63 152.75,20.63 155.25,20.63 162.75,20.63 175.25,20.63 177.75,20.63 34,23.13 36.5,23.13 41.5,23.13 44,23.13 49,23.13 51.5,23.13 54,23.13 56.5,23.13 59,23.13 64,23.13 69,23.13 79,23.13 91.5,23.13 96.5,23.13 99,23.13 104,23.13 106.5,23.13 111.5,23.13 146.5,23.13 149,23.13 151.5,23.13 154,23.13 159,23.13 161.5,23.13 176.5,23.13 35.25,25.63 42.75,25.63 45.25,25.63 55.25,25.63 62.75,25.63 65.25,25.63 67.75,25.63 92.75,25.63 97.75,25.63 105.25,25.63 142.75,25.63 147.75,25.63 150.25,25.63 175.25,25.63 177.75,25.63 19,28.13 21.5,28.13 24,28.13 34,28.13 36.5,28.13 41.5,28.13 44,28.13 49,28.13 51.5,28.13 54,28.13 56.5,28.13 59,28.13 64,28.13 66.5,28.13 69,28.13 79,28.13 89,28.13 91.5,28.13 96.5,28.13 99,28.13 104,28.13 106.5,28.13 116.5,28.13 119,28.13 149,28.13 151.5,28.13 176.5,28.13 20.25,30.63 25.25,30.63 35.25,30.63 37.75,30.63 42.75,30.63 45.25,30.63 50.25,30.63 57.75,30.63 62.75,30.63 65.25,30.63 67.75,30.63 77.75,30.63 80.25,30.63 97.75,30.63 100.25,30.63 105.25,30.63 107.75,30.63 132.75,30.63 150.25,30.63 162.75,30.63 165.25,30.63 175.25,30.63 177.75,30.63 21.5,33.13 36.5,33.13 41.5,33.13 44,33.13 46.5,33.13 61.5,33.13 76.5,33.13 91.5,33.13 96.5,33.13 99,33.13 104,33.13 106.5,33.13 109,33.13 126.5,33.13 131.5,33.13 136.5,33.13 149,33.13 151.5,33.13 176.5,33.13 42.75,35.63 45.25,35.63 95.25,35.63 97.75,35.63 100.25,35.63 107.75,35.63 110.25,35.63 175.25,35.63 177.75,35.63 19,38.13 21.5,38.13 26.5,38.13 91.5,38.13 144,38.13 149,38.13 159,38.13 164,38.13 176.5,38.13 20.25,40.63 22.75,40.63 115.25,40.63 147.75,40.63 152.75,40.63 157.75,40.63 160.25,40.63 162.75,40.63 165.25,40.63 175.25,40.63 177.75,40.63 19,43.13 21.5,43.13 24,43.13 29,43.13 31.5,43.13 39,43.13 44,43.13 86.5,43.13 91.5,43.13 96.5,43.13 106.5,43.13 121.5,43.13 126.5,43.13 151.5,43.13 156.5,43.13 159,43.13 161.5,43.13 164,43.13 176.5,43.13 22.75,45.63 40.25,45.63 57.75,45.63 75.25,45.63 85.25,45.63 115.25,45.63 152.75,45.63 157.75,45.63 160.25,45.63 162.75,45.63 165.25,45.63 175.25,45.63 177.75,45.63 121.5,48.13 126.5,48.13 131.5,48.13 151.5,48.13 156.5,48.13 159,48.13 161.5,48.13 164,48.13 176.5,48.13 120.25,50.63 122.75,50.63 125.25,50.63 147.75,50.63 152.75,50.63 157.75,50.63 160.25,50.63 162.75,50.63 175.25,50.63 177.75,50.63 124,53.13 126.5,53.13 134,53.13 151.5,53.13 156.5,53.13 159,53.13 164,53.13 176.5,53.13 122.75,55.63 125.25,55.63 135.25,55.63 152.75,55.63 157.75,55.63 162.75,55.63 165.25,55.63 167.75,55.63 175.25,55.63 177.75,55.63 161.5,58.13 176.5,58.13 127.75,60.63 175.25,60.63 177.75,60.63 139,63.13 159,63.13 176.5,63.13 135.25,65.63 142.75,65.63 147.75,65.63 150.25,65.63 152.75,65.63 155.25,65.63 157.75,65.63 160.25,65.63 162.75,65.63 172.75,65.63 175.25,65.63 177.75,65.63 137.75,70.63 140.25,70.63 145.25,70.63 147.75,70.63 124,73.13 134,73.13 139,73.13 146.5,73.13 137.75,75.63 140.25,75.63 142.75,75.63 145.25,75.63 126.5,78.13 134,78.13 146.5,78.13 142.75,80.63 145.25,80.63 137.75,85.63 140.25,85.63 134,88.13 139,88.13 141.5,88.13 144,88.13 122.75,90.63 125.25,90.63 137.75,90.63 140.25,90.63 134,93.13 139,93.13 141.5,93.13 144,93.13 146.5,93.13 125.25,95.63 137.75,95.63 140.25,95.63 134,98.13 139,98.13 146.5,98.13 127.75,100.63 137.75,100.63 140.25,100.63 142.75,100.63 145.25,100.63 129,103.13 134,103.13 139,103.13 146.5,103.13 137.75,105.63 140.25,105.63 142.75,105.63 129,108.13 134,108.13 139,108.13 137.75,110.63 140.25,110.63 134,113.13 146.5,113.13 136.5,118.13 146.5,118.13 137.75,120.63 134,123.13 136.5,123.13 139,123.13 141.5,123.13 144,123.13 135.25,125.63 137.75,125.63 140.25,125.63 134,128.13 136.5,128.13 139,128.13 141.5,128.13 146.5,128.13 130.25,130.63 135.25,130.63 137.75,130.63 140.25,130.63 142.75,130.63 129,133.13 134,133.13 136.5,133.13 139,133.13 132.75,135.63 135.25,135.63 137.75,135.63 140.25,135.63 142.75,135.63 129,138.13 131.5,138.13 134,138.13 136.5,138.13 139,138.13 146.5,138.13 122.75,140.63 125.25,140.63 127.75,140.63 130.25,140.63 132.75,140.63 135.25,140.63 137.75,140.63 140.25,140.63 142.75,140.63 145.25,140.63
IM_CSN: R26.1 TP10.5 U13.57 | length 60.1
  Top Layer w0.254: v1(76.454,103.505) 76.581,103.378 76.581,102.87 77.459,101.992 U13.57@77.459,97.583 ; v1(101.092,119.888) 106.807,119.888 107.95,118.745 107.95,113.538 108.458,113.03 R26.1@110.97,113.03 ; R26.1@111.345,113.03 v1(112.395,113.03)
  Bottom Layer w0.254: v1(76.454,103.505) 76.454,105.41 76.835,105.791 76.835,108.919 84.991,117.075 93.206,117.075 96.019,119.888 v1(101.092,119.888) ; TP10.5@109.855,113.03 v1(112.395,113.03)
IMON_NCS: R29.1 TP21.6 U9.7 U43.5 U55.3 | length 109
  Top Layer w0.254: U9.7@121.78,111.76 124.305,111.76 124.94,111.125 v1(126.365,111.125) ; v1(138.43,33.02) 138.43,28.956 139.065,28.321 140.224,28.321 U43.5@140.265,28.28 ; v1(139.065,43.815) U55.3@141.11,43.815
  Bottom Layer w0.254: v1(126.365,111.125) 125.422,110.182 125.422,108.131 126.365,107.188 130.23,107.188 130.684,106.734 130.684,60.423 131.372,59.735 131.372,52.124 137.052,46.444 137.078,46.444 137.367,46.155 142.306,46.155 143.056,45.405 143.056,43.996 TP21.6@141.605,42.545 ; v1(138.43,33.02) 138.43,38.25 138.522,38.342 138.522,39.462 TP21.6@141.605,42.545 ; v1(139.065,43.815) 140.335,42.545 TP21.6@141.605,42.545
LAS_EN: R38.1 TP11.3 U13.54 | length 65.8
  Top Layer w0.254: U13.54@78.959,97.583 78.959,102.558 79.121,102.72 v1(79.121,104.394) ; v1(100.33,117.602) 101.358,117.602 101.819,117.141 101.819,105.452 108.211,99.06 R38.1@110.335,99.06 ; R38.1@110.71,99.06 v1(111.76,99.06)
  Bottom Layer w0.254: v1(79.121,104.394) 79.121,105.41 78.359,106.172 78.359,108.287 85.785,115.713 93.77,115.713 95.659,117.602 v1(100.33,117.602) ; TP11.3@109.855,96.52 111.76,98.425 v1(111.76,99.06)
LAS_FLT: R47.1 TP11.4 U13.53 U15.4 | length 77.1
  Top Layer w0.254: U13.53@79.459,97.583 79.459,102.331 80.01,102.882 v1(80.01,103.505) ; v1(101.092,116.84) 101.161,116.771 101.161,105.468 v1(111.887,94.742) 111.887,88.9 112.81,87.977 R47.1@112.81,86.36 ; R47.1@113.185,86.36 U15.4@115.57,86.36
  Bottom Layer w0.254: v1(80.01,103.505) 80.01,105.41 78.867,106.553 78.867,108.077 86.049,115.259 93.958,115.259 95.539,116.84 v1(101.092,116.84) ; TP11.4@109.855,93.98 111.125,93.98 v1(111.887,94.742)
LAS_LOCK: R43.1 U14.4 | length 2.4
  Top Layer w0.384: R43.1@113.185,92.075 U14.4@115.57,92.075
LASER_ENABLE: P4.60 R39.2 TP7.1 U7.2 U12.3 | length 178.4
  Top Layer w0.254: U12.3@123.19,97.79 125.575,97.79 127.099,99.314 129.54,99.314 130.175,98.679 130.175,78.119 130.956,77.338 130.956,70.353 133.72,67.589 167.996,67.589 172.085,63.5 v1(172.085,54.61) U7.2@172.085,7.48 172.085,5.842 171.323,5.08 168.275,5.08 164.592,1.397 164.592,-1.778 160.655,-5.715 145.161,-5.715 144.481,-5.035 P4.60@144.481,-2.413
  Bottom Layer w0.384: TP7.1@170.815,52.07 172.085,53.34 v1(172.085,54.61)
LASER_IMON: P4.17 R130.1 TP7.5 | length 65
  Top Layer w0.254: R130.1@164.245,25.781 164.245,23.715 165.1,22.86 v1(165.1,20.32)
  Top Layer w0.384: P4.17@142.068,2.41 141.958,2.41 141.958,8.418 149.161,15.621 160.401,15.621 v1(165.1,20.32)
  Bottom Layer w0.384: v1(165.1,20.32) 167.64,22.86 167.64,40.513 169.037,41.91 TP7.5@170.815,41.91
LASER_LOCK: P4.61 TP7.2 U7.3 U14.2 | length 162.8
  Top Layer w0.254: U14.2@123.19,94.615 125.73,94.615 127,93.345 127,90.65 129.591,88.059 129.591,78.061 130.502,77.15 130.502,70.165 133.662,67.005 167.691,67.005 170.815,63.881 v1(170.815,50.8) U7.3@170.815,7.48 170.815,6.223 170.307,5.715 167.64,5.715 163.83,1.905 163.83,-1.27 160.655,-4.445 147.32,-4.445 146.894,-4.019 P4.61@146.894,-2.413
  Bottom Layer w0.384: TP7.2@170.815,49.53 v1(170.815,50.8)
LASER_PULSE: P4.59 Q31.3 | length 5.3
  Bottom Layer w0.5: P4.59@142.068,-2.413 142.068,-6.686 142.367,-6.985 Q31.3@142.945,-6.985
LASER_VMON: P4.18 R105.1 | length 49
  Top Layer w0.384: P4.18@144.481,2.41 144.481,9.861 149.225,14.605 161.925,14.605 166.37,19.05 166.37,31.911 R105.1@164.245,34.036
LD_PULSE: R25.1 TP10.4 U13.4 | length 60.3
  Top Layer w0.254: U13.4@89.34,79.745 89.363,79.722 90.698,79.722 97.395,73.025 v1(97.917,73.025) ; v1(109.22,115.57) R25.1@110.97,115.57
  Bottom Layer w0.254: v1(97.917,73.025) 97.917,81.026 98.679,81.788 98.679,97.409 106.68,105.41 106.68,113.03 v1(109.22,115.57)
LDD_IPROG: P4.21 R149.2 TP7.3 U23.7 | length 75.9
  Top Layer w0.384: P4.21@151.72,2.41 151.762,2.41 167.005,17.653 v1(167.005,46.863) 167.005,48.26 159.004,56.261 159.004,59.563 158.242,60.325 U23.7@156.985,60.325 154.72,60.325 R149.2@154.305,59.91
  Bottom Layer w0.384: v1(167.005,46.863) 170.688,46.863 TP7.3@170.815,46.99
LDD_VMON: P4.19
LED_GREEN: J8.5 J9.5 P4.56 TP3.2 U27.3 U54.2 | length 182.9
  Top Layer w0.254: U27.3@30.481,45.085 30.481,38.736 28.067,36.322 v1(28.067,26.67) 28.067,17.254 28.829,16.492 28.829,4.064 v1(26.035,1.27) 26.035,-6.35 27.985,-8.3 v1@62.865,-8.3 ; v1(62.865,-8.382) v1@62.865,-8.3 ; v1(108.585,-8.255) 108.54,-8.3 v1@62.865,-8.3
  Bottom Layer w0.254: v1(26.035,1.27) 26.035,-0.254 26.291,-0.51 J8.5@28.75,-0.51 ; v1(28.067,26.67) 29.21,26.67 TP3.2@31.115,24.765 ; v1(62.865,-8.382) 64.008,-7.239 64.008,-3.683 64.945,-2.746 J9.5@64.945,-0.51 ; v1(108.585,-8.255) U54.2@111.265,-8.255 112.776,-8.255 114.681,-6.35 130.892,-6.35 P4.56@134.829,-2.413
LED_RED: J8.1 J9.1 P4.57 TP3.1 U26.3 U54.1 | length 197
  Top Layer w0.254: U26.3@24.765,45.085 24.857,44.993 24.857,35.595 27.051,33.401 v1(27.051,27.94) 27.051,17.372 28.194,16.229 28.194,4.826 25.273,1.905 25.273,-6.858 27.813,-9.398 v1(41.275,-9.398) v1(74.295,-9.398) 108.458,-9.398 v1(108.585,-9.271)
  Bottom Layer w0.254: v1(27.051,27.94) 30.48,27.94 TP3.1@31.115,27.305 ; J8.1@39.83,-0.51 39.83,-1.984 41.275,-3.429 v1(41.275,-9.398) ; v1(74.295,-9.398) 76.025,-7.668 J9.1@76.025,-0.51 ; v1(108.585,-9.271) 108.839,-9.525 U54.1@111.265,-9.525 113.919,-9.525 114.681,-10.287 133.223,-10.287 137.242,-6.268 P4.57@137.242,-2.413
LEDB: U13.97
LEDG: R88.1 TP4.2 U13.37 | length 106.9
  Top Layer w0.254: R88.1@33.021,57.565 33.876,57.565 v1(34.291,57.15) ; U13.37@87.49,97.595 87.49,97.904 v1(88.265,98.679)
  Bottom Layer w0.254: v1(34.291,57.15) 34.926,57.15 TP4.2@35.561,57.785 38.355,60.579 46.99,60.579 47.879,61.468 47.879,63.119 53.34,68.58 61.348,68.58 63.558,70.79 71.171,70.79 72.771,72.39 79.001,72.39 79.918,71.473 79.918,71.454 81.776,69.596 87.449,69.596 89.081,71.228 92.31,71.228 97.301,76.219 97.301,90.608 96.428,91.481 96.428,93.265 96.701,93.538 96.701,96.085 94.615,98.171 88.773,98.171 v1(88.265,98.679)
LEDP_RED: R87.1 TP4.1 U13.70 | length 78.4
  Top Layer w0.254: R87.1@27.305,57.565 28.61,57.565 v1(29.211,58.166) ; v1(53.975,95.885) 57.15,99.06 64.079,99.06 66.254,101.235 69.326,101.235 70.959,99.602 U13.70@70.959,97.583
  Bottom Layer w0.254: v1(29.211,58.166) 29.846,58.801 32.005,58.801 ; TP4.1@33.021,57.785 32.005,58.801 ; v1(53.975,95.885) 50.038,91.948 50.038,84.836 43.942,78.74 37.592,78.74 35.56,76.708 35.56,62.356 32.005,58.801
LMP_DISCH: R75.1 TP6.4 U13.12 | length 56.7
  Top Layer w0.254: U13.12@89.34,83.745 98.133,83.745 107.426,74.452 107.426,71.771 107.442,71.755 107.442,64.627 109.204,62.865 R75.1@110.335,62.865 ; R75.1@110.71,62.865 110.71,64.101 v1(110.744,64.135)
  Bottom Layer w0.254: TP6.4@109.855,83.82 110.744,82.931 v1(110.744,64.135)
LMP_DISCHARGE: P4.13 R154.2 TP9.1 U10.1 | length 34.5
  Bottom Layer w0.254: R154.2@130.175,32.605 131.445,31.335 TP9.1@131.445,29.845 136.525,24.765 136.525,11.183 135.89,10.548 135.89,5.884 P4.13@132.416,2.41
LMP_FAULT: R83.1 TP5.6 U13.11 U24.4 | length 52.9
  Top Layer w0.254: U13.11@89.34,83.245 97.991,83.245 106.972,74.264 106.972,61.938 107.442,61.468 v1(108.585,61.468) 111.667,61.468 R83.1@112.81,60.325 112.81,58.64 114.3,57.15 U24.4@115.57,57.15
  Bottom Layer w0.254: TP5.6@104.14,57.785 107.823,57.785 108.585,58.547 v1(108.585,61.468)
LMP_FAULT_SIG: P4.12 R126.1 TP8.6 U24.2 U53.4 | length 68.3
  Top Layer w0.381: v1(127.635,33.655) R126.1@127.635,35.405
  Bottom Layer w0.254: U24.2@123.19,59.69 124.46,59.69 127.381,56.769 127.381,42.291 127.635,42.037 v1(127.635,33.655) 128.905,32.385 TP8.6@128.905,29.845 130.365,28.384 131.381,28.384 133.985,25.781 U53.4@133.985,12.56 133.985,10.922 134.874,10.033 134.874,5.51 133.047,3.683 131.276,3.683 P4.12@130.003,2.41
LMP_HV_INH: R97.1 TP5.1 U13.7 | length 50.8
  Top Layer w0.254: v1(88.9,57.785) 89.12,57.565 R97.1@90.17,57.565 90.17,58.547 92.142,60.519 96.841,60.519 98.498,62.176 102.174,62.176 v1@103.247,63.25 ; U13.7@89.309,81.233 89.332,81.21 91.136,81.21 91.628,80.718 98.86,80.718 105.41,74.168 v1(105.41,67.945)
  Bottom Layer w0.254: v1(88.9,57.785) TP5.1@91.44,57.785 ; v1(103.251,63.246) 105.41,65.405 v1(105.41,67.945)
LMP_HV_INHIBIT: P4.7 R116.1 TP8.1 U36.4 U53.1 | length 83.4
  Top Layer w0.254: R116.1@90.17,42.7 U36.4@90.17,45.085
  Bottom Layer w0.254: U36.4@90.17,45.085 90.17,42.799 92.329,40.64 103.505,40.64 107.315,36.83 113.102,36.83 113.872,36.06 113.872,35.988 116.205,33.655 TP8.1@116.205,29.845 122.555,23.495 128.905,23.495 130.175,22.225 U53.1@130.175,12.56 130.175,9.525 128.27,7.62 123.148,7.62 P4.7@117.938,2.41
LMP_HVON: R72.1 TP6.3 U13.13 U20.4 | length 53.1
  Top Layer w0.254: U13.13@89.34,84.245 98.275,84.245 113.284,69.236 113.284,68.679 113.185,68.58 U20.4@115.57,68.58 ; v1(111.76,69.215) 112.615,68.36 R72.1@113.284,68.36
  Bottom Layer w0.254: TP6.3@109.855,86.36 109.855,85.18 111.198,83.837 111.198,69.777 v1(111.76,69.215)
LMP_HVON_SIG: P4.14 R128.1 TP9.2 U10.8 U20.2 | length 78.3
  Top Layer w0.381: v1(132.715,33.655) R128.1@132.715,35.405
  Bottom Layer w0.254: U20.2@123.19,71.12 125.095,71.12 128.551,67.664 128.551,59.539 129.032,59.058 129.032,42.926 132.715,39.243 v1(132.715,33.655) 133.985,32.385 TP9.2@133.985,29.845 133.985,29.591 137.16,26.416 137.16,11.176 136.525,10.541 136.525,4.106 P4.14@134.829,2.41
LMP_OV: R100.1 TP5.4 U13.10 U39.4 | length 49.2
  Top Layer w0.254: U13.10@89.34,82.745 97.849,82.745 106.518,74.076 106.518,62.449 102.87,58.801 102.87,56.995 ; v1(102.108,56.261) 102.136,56.261 102.87,56.995 ; U39.4@104.775,52.705 104.775,55.09 102.87,56.995
  Bottom Layer w0.254: TP5.4@99.06,57.785 100.584,56.261 v1(102.108,56.261)
LMP_OVERTEMPERATURE_SIG: P4.8 R122.1 TP8.2 U37.2 U53.8 | length 75.4
  Top Layer w0.381: v1(117.475,33.655) R122.1@117.475,35.405
  Bottom Layer w0.254: U37.2@95.885,45.085 98.806,42.164 103.505,42.164 107.823,37.846 113.284,37.846 v1(117.475,33.655) 118.745,32.385 TP8.2@118.745,29.845 124.206,24.384 129.413,24.384 130.802,22.995 130.802,9.51 130.364,9.072 130.364,7.949 U53.8@130.175,7.76 130.175,6.731 129.921,6.477 124.418,6.477 P4.8@120.351,2.41
LMP_OVERVOLTAGE_SIG: P4.10 R124.1 TP8.4 U39.2 U53.3 | length 68.1
  Top Layer w0.381: v1(122.555,33.655) R124.1@122.555,35.405
  Bottom Layer w0.254: U39.2@107.315,45.085 107.315,44.069 108.331,43.053 115.697,43.053 122.555,36.195 v1(122.555,33.655) 123.825,32.385 TP8.4@123.825,29.845 127.381,26.289 131.064,26.289 132.715,24.638 U53.3@132.715,12.56 132.715,10.16 133.342,9.533 133.342,5.382 132.786,4.826 127.593,4.826 P4.10@125.177,2.41
LMP_OVT: R98.1 TP5.2 U13.1 U37.4 | length 40.8
  Top Layer w0.254: U13.1@89.309,78.233 90.417,78.233 92.996,75.654 104.013,64.637 104.013,62.738 102.362,61.087 99.187,61.087 95.25,57.15 v1(95.25,56.515) 94.2,55.465 R98.1@93.345,55.465 U37.4@93.345,52.705
  Bottom Layer w0.254: TP5.2@93.98,57.785 v1(95.25,56.515)